# Altium PCB RS2-708_V010.PcbDoc (part 1 of 4) (continued)
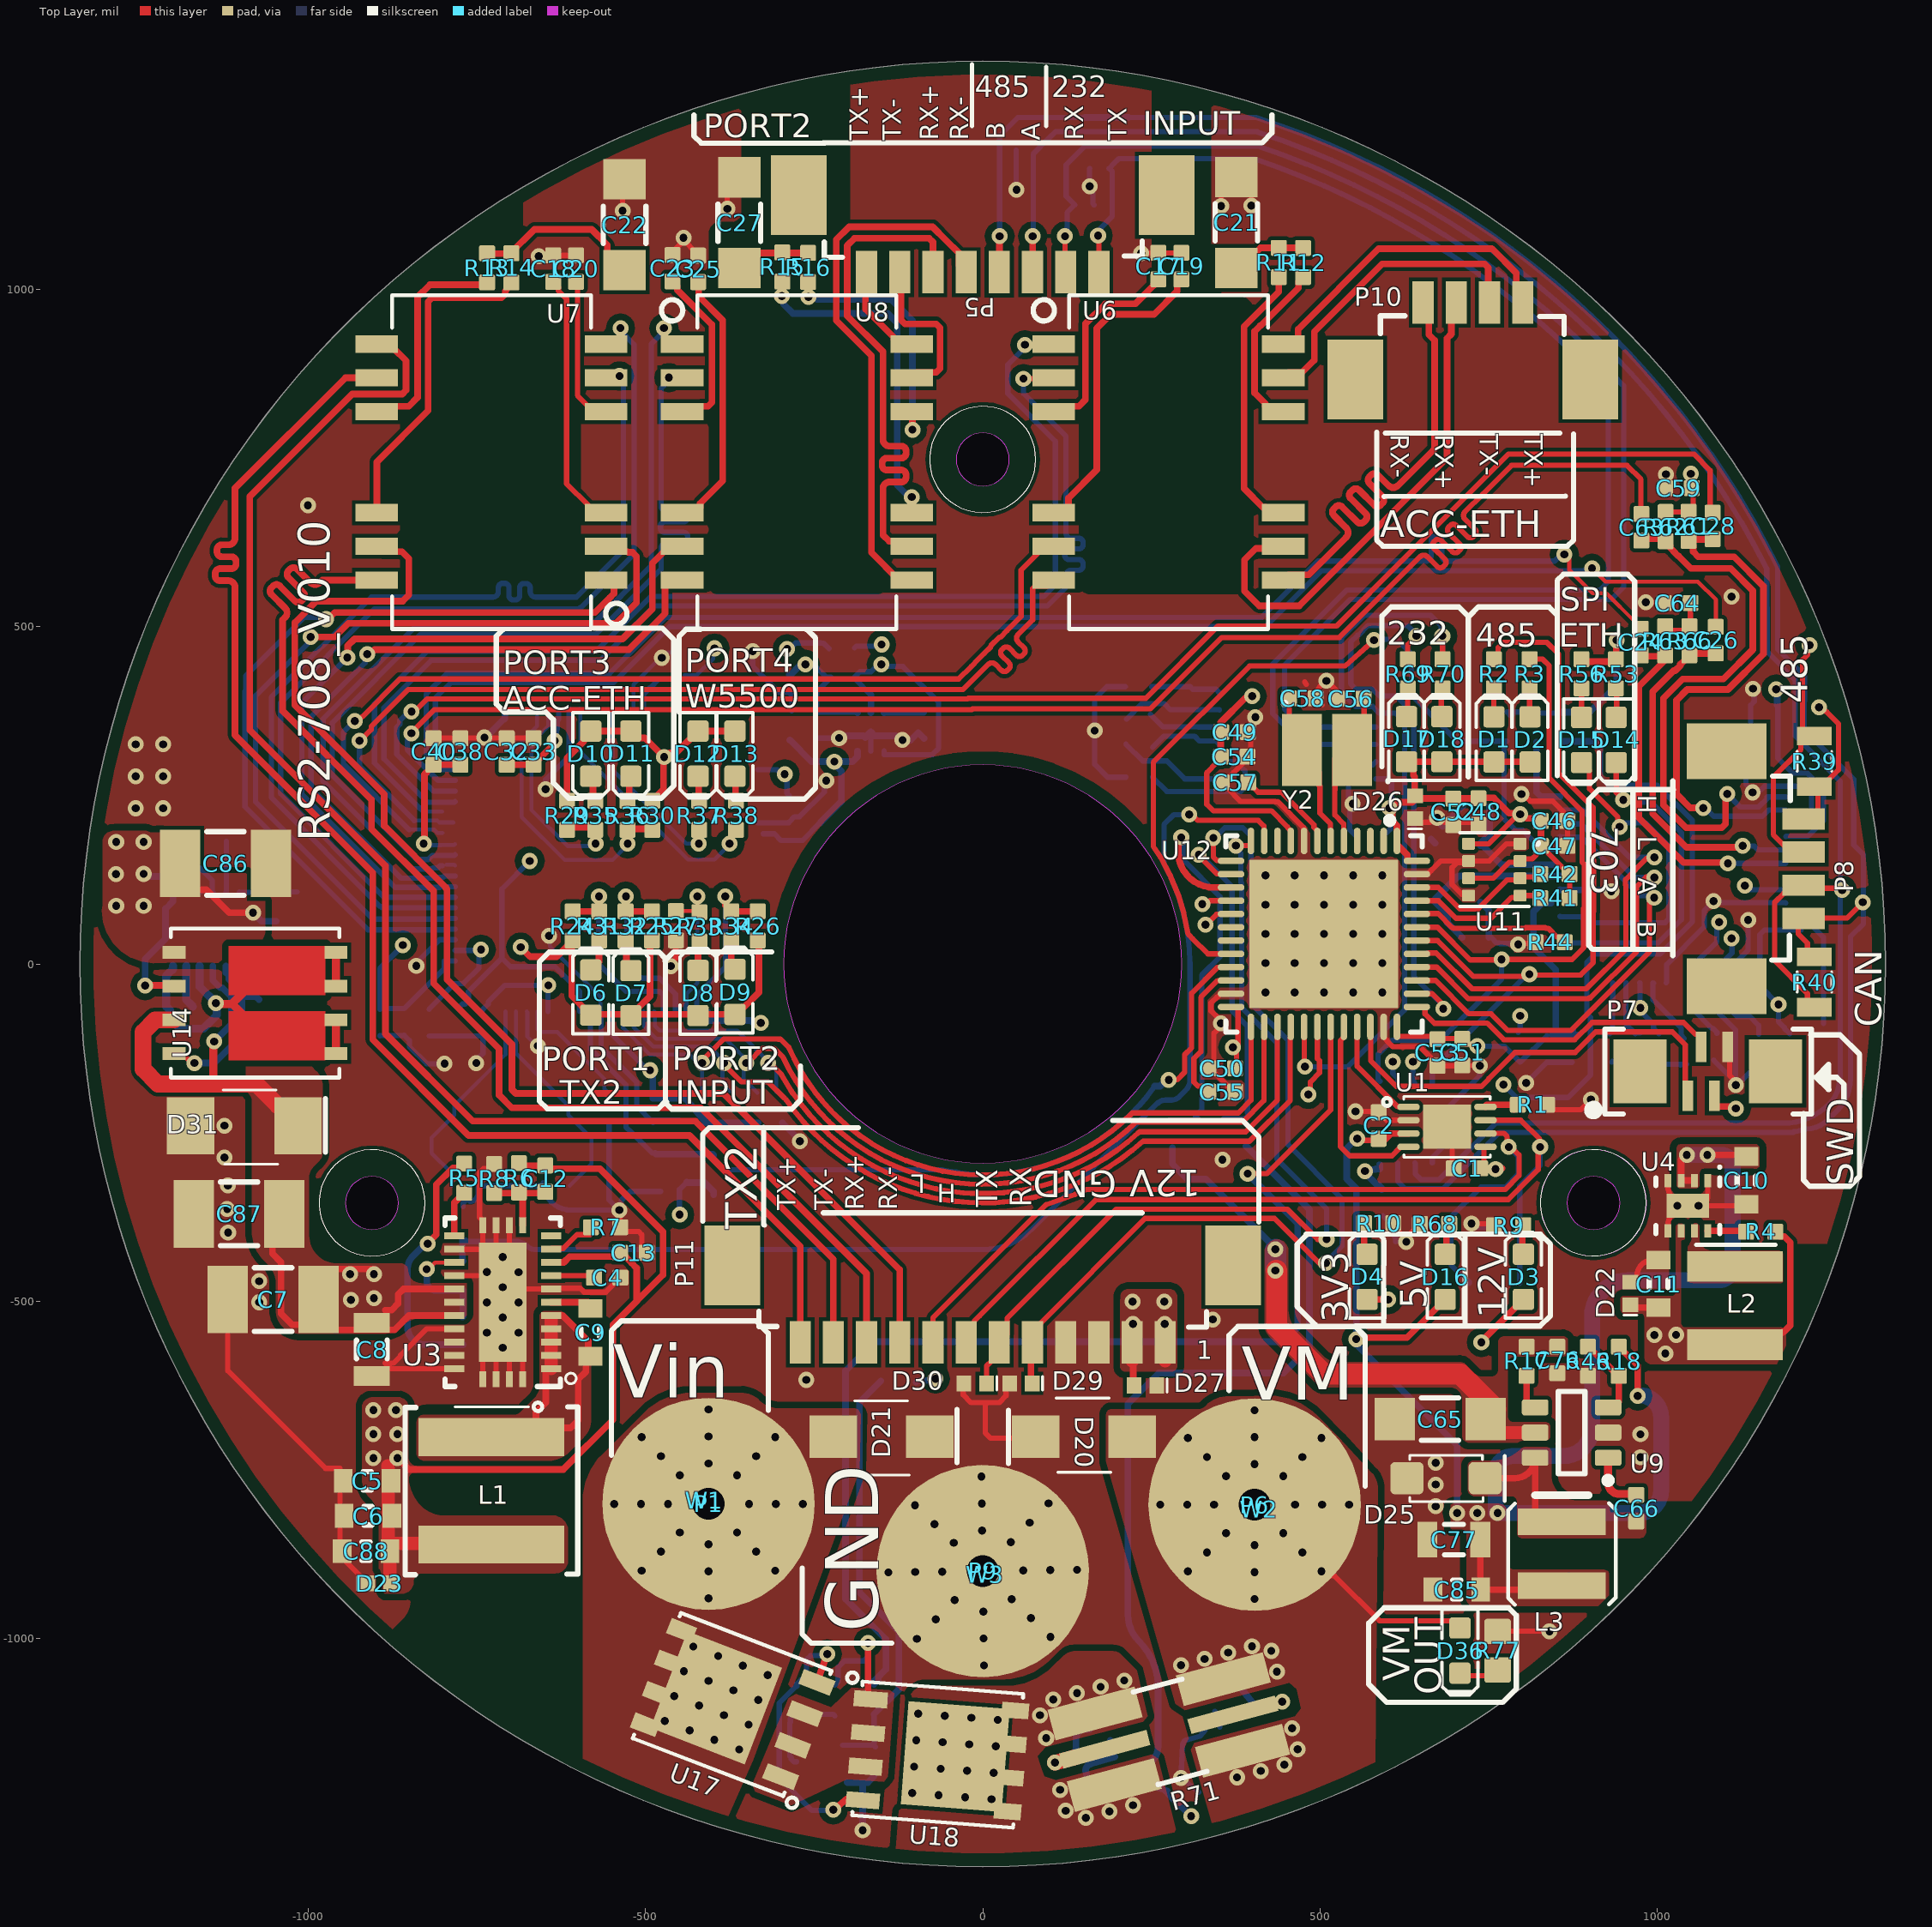
[diagram p0: Top Layer view]
## Components (designator, comment, footprint, x,y, rotation, side; value= is the part's Value field where it differs from the comment) (continued)
D17 "LED" LED-0603-YELLOW 628.46,333.23 r90 top
D18 "LED" LED-0603-GREEN 680.85,333.23 r90 top
D19 "Zener" SOD-323F -218.01,-1031.76 r180 bottom
D20 "TVS-Bidirectional" DO-214AB 78.74,-700.79 r0 top
D21 "TVS-Bidirectional" DO-214AB -78.74,-700.79 r180 top
D22 "TVS-Bidirectional" SLP1006P2T 960.46,-488.69 r90 top
D23 "TVS-Bidirectional" SLP1006P2T -894.79,-918.61 r0 top
D24 "TVS-Bidirectional" SLP1006P2T -283.15,414.75 r270 bottom
D25 "Diode" SOD-123F 687.06,-762.5 r180 top
D26 "TVS-Bidirectional" SLP1006P2T 641,232.29 r90 top
D27 "TVS-Bidirectional" SLP1006P2T 241.37,-625 r180 top
D29 "TVS-Bidirectional" SLP1006P2T 56.72,-621.87 r180 top
D30 "TVS-Bidirectional" SLP1006P2T -11.02,-621.87 r180 top
D31 "Schottky" DO-214AC -1094.96,-239.94 r180 top
D33 "TVS- 3-pin" SOT23-BAT54 758.95,-431.94 r90 bottom
D34 "TVS-Bidirectional" SLP1006P2T 152.29,1125.49 r180 bottom
D35 "TVS-Bidirectional" SLP1006P2T 171.46,1179.24 r0 bottom
D36 "LED" LED-0603-RED 707.69,-1018.11 r270 top
D37 "SM712-TP" SOT23-BAT54 49.65,1165.42 r90 bottom
FB1 "Ferrite Bead" RES0402 -228,446 r270 bottom
FB2 "Ferrite Bead" RES0402 -190,447 r270 bottom
FB3 "Ferrite Bead" RES0402 796.83,-123.94 r270 bottom
L1 "Inductor" "IND_ XAL6060-682MEB" -728.54,-701.73 r270 top
L2 "Inductor" IFSC-1515AH-ER2R2M01 1115.77,-506.47 r270 top
L3 "Inductor" IND_74404043---A 858.62,-874.62 r270 top
P1 "Wurth-7466113" 7466113_V2 -406.61,-800.61 r0 top locked
P5 "PICOBLADE-1.25mm" 532617008 0,1082.68 r0 top locked
P6 "Wurth-7466113" 7466113_V2 403.18,-801.74 r0 top locked
P7 "Verticcal  FFC" AFC11-S04ICC-00 1045.58,-195.66 r0 top
P8 "PICOBLADE-1.25mm" 532617004 1160.15,141.23 r90 top
P9 "Wurth-7466113" 7466113_V2 0,-900.23 r0.8 top locked
P10 "PICOBLADE-1.25mm" 532617004 726.87,923.81 r180 top
P11 "PICOBLADE-1.25mm" 532617012 0,-503.94 r0 top locked
R1 "Resistor" RES0402 815.16,-208.8 r180 top
R2 "Resistor" RES0402 757.99,430.25 r270 top
R3 "Resistor" RES0402 810.93,430.25 r270 top
R4 "Resistor" RES0402 1153.69,-397.18 r180 top
R5 "Resistor" RES0402 -768.74,-317.73 r90 top
R6 "Resistor" RES0402 -687.74,-317.2 r90 top
R7 "Resistor" RES0402 -559.24,-390.46 r180 top
R8 "Resistor" RES0402 -724.39,-318.16 r270 top
R9 "Resistor" RES0402 779.96,-387.57 r0 top
R10 "Resistor" RES0402 587.07,-384.35 r180 top
R11 "Res" RES0402 439,1040 r270 top
R12 "Res" RES0402 475,1040 r270 top
R13 "Res" RES0402 -735,1032 r270 top
R14 "Res" RES0402 -699,1032 r270 top
R15 "Res" RES0402 -297.15,1033.3 r270 top
R16 "Res" RES0402 -258.88,1032.69 r270 top
R17 "Resistor" RES0402 806.39,-589.22 r90 top
R18 "Resistor" RES0402 943.21,-589.22 r90 top
R19 "Resistor" RES0402 -333,-214 r270 bottom
R20 "Resistor" RES0402 -410,-214 r270 bottom
R21 "Resistor" RES0402 -371,-214 r270 bottom
R22 "Resistor" RES0402 -297,-214 r270 bottom
R23 "Resistor" RES0402 -554,-214 r90 bottom
R24 "Resistor" RES0402 -608.01,56.34 r270 top
R25 "Resistor" RES0402 -490.46,56.34 r270 top
R26 "Resistor" RES0402 -333.73,56.34 r270 top
R27 "Resistor" RES0402 -454.92,56.66 r270 top
R28 "Resistor" RES0402 -439,-302 r90 bottom
R29 "Resistor" RES0402 -616.34,220.42 r90 top
R30 "Resistor" RES0402 -490,220.42 r90 top
R31 "Resistor" RES0402 -568.83,56.34 r270 top
R32 "Resistor" RES0402 -529.64,56.34 r270 top
R33 "Resistor" RES0402 -420.16,55.05 r270 top
R34 "Resistor" RES0402 -372.91,56.34 r270 top
R35 "Resistor" RES0402 -574.64,220.42 r90 top
R36 "Resistor" RES0402 -526.8,220.42 r90 top
R37 "Resistor" RES0402 -420.4,220.42 r90 top
R38 "Resistor" RES0402 -365.89,220.42 r90 top
R39 "Res" RES0805 1233.25,300.47 r90 top value=120
R40 "Res" RES0805 1233.25,-26.7 r270 top value=120
R41 "Res" RES0402 848.6,97.6 r180 top value=4.7K
R42 "Res" RES0402 848.6,133.24 r180 top value=4.7K
R43 "Res" RES0402 281.23,-251.05 r270 bottom value=47K
R44 "Resistor" RES0402 841.41,32.09 r180 top
R45 "Res" RES0402 319.87,-251.76 r90 bottom value=3.3K
R46 "Resistor" RES0402 897.6,-589.22 r90 top
R47 "Resistor" RES0402 -1048,85 r270 bottom
R48 "Resistor" RES0402 -1017,85 r90 bottom
R49 "Resistor" RES0402 -1073,-74.65 r90 bottom
R50 "Resistor" RES0402 -1143,146 r180 bottom
R51 "Resistor" RES0402 -1143,182 r0 bottom
R52 "Resistor" RES0402 859.63,351.66 r90 bottom
R53 "Resistor" RES0402 938.88,430.25 r90 top
R54 "Resistor" RES0402 777.37,351.88 r90 bottom
R55 "Resistor" RES0402 823.63,351.66 r90 bottom
R56 "Resistor" RES0402 887.8,430.25 r90 top
R57 "Resistor" RES0402 1245.69,-121 r270 bottom
R58 "Resistor" RES0402 795.69,137.65 r90 bottom
R60 "Resistor" RES0402 929.69,-125 r90 bottom
R61 "Res" RES0402 1046.69,648.78 r270 top
R62 "Res" RES0402 1012.69,648.43 r90 top
R63 "Res" RES0402 1011.86,479.15 r270 top
R65 "Resistor" RES0402 -120.4,-620.17 r0 bottom
R66 "Res" RES0402 1047.86,479.15 r90 top
R67 "Resistor" RES0402 -770.58,-462.21 r90 bottom
R68 "Resistor" RES0402 670.04,-385.59 r0 top
R69 "Resistor" RES0402 630.22,430.25 r270 top
R70 "Resistor" RES0402 681.82,430.25 r270 top
R71 "Resistor_Kelvin" "RES2512 - KELVIN" 276,-1138.98 r15 top
R72 "Resistor" RES0402 -219.24,-1090.9 r270 bottom
R73 "Resistor" RES0402 -277.31,-1090.9 r270 bottom
R74 "Resistor" RES0402 -161.17,-1090.9 r270 bottom
R75 "Resistor" RES0402 -161.17,-1182.98 r270 bottom
R76 "Resistor" RES0402 390.4,-248.43 r270 bottom
R77 "Resistor" RES0603 763.47,-1018.35 r270 top
R78 "Resistor" RES0402 -770.58,-542.81 r270 bottom
R79 "Resistor" RES0402 -770.58,-381.6 r270 bottom
T1 "NPN" DFN2020D-3 -234.61,-1187.78 r180 bottom
U1 "MCP2558FDT-H/MNY" TDFN8_2x3_MN 688.49,-241.64 r0 top
U2 "RS485 Tranceiver" MAX22501EATA+ 628.2,-236.06 r0 bottom
U3 "LM76003RNPR" LM76003 -711.69,-501.65 r180 top
U4 "3-17v Switching Reg" TPS6216X 1045.6,-358.49 r270 top
U5 "MIC5309-xx" MIC5309 -166,344 r90 bottom
U6 "Ethernet Transformer" 749020100 275.59,744.09 r0 top locked
U7 "Ethernet Transformer" 749020100 -728.35,744.09 r180 top locked
U8 "Ethernet Transformer" 749020100 -275.59,744.09 r0 top locked
U9 "IC REG BUCK ADJ 600MA TSOT23-6" SOT23-6 873.25,-694.93 r180 top
U10 "KSZ8795CLX" KSZ8795CLX -558,154 r0 bottom locked
U11 "\" BME280 758.66,139.82 r0 top
U12 "STM32F413CHU6" STM-UFQFPN48_M 506,44.5 r270 top locked
U13 "W5500_LQFP48" "LQFP-48, 7x7mm, 0.5mm pitch" 1023.36,139.47 r180 bottom locked
U14 "IPG16N10S461AATMA1" PG-TDSON-8-4_INF -1079,-58 r0 top
U15 "LM74801QDRRRQ1" DRR0012E -1151.47,51.72 r270 bottom
U16 "2/2 RS232 Tranceiver" ST3232ECTR 467,364 r0 bottom locked
U17 "P-Fet" SO-8_PowerPAK#1 -373.16,-1096.66 r158.98 top
U18 "P-Fet" SO-8_PowerPAK#2 -64.65,-1173.54 r355.58 top
U19 "Current Sense" AD8418BRMZ 270.14,-1141.88 r195.46 bottom
W1 "Wiring Crimnp" Power_M3_Eyelet_Up -412.91,-795.46 r312 top
W2 "Wiring Crimnp" Power_M3_Eyelet_Up 409.68,-808.5 r0 top
W3 "Wiring Crimnp" Power_M3_Eyelet_Up 3.7,-905.16 r340.52 top
Y1 "Osc" "ABM7 Oscillator" -699,-224 r180 bottom locked
Y2 "Osc" "2-SMD-XTAL (3.2x2.5)" 510.58,317.3 r0 top value=8MHz
Y3 "Crystal_4Pin_ABM8G" CRYSTAL_ABM8G 708.19,135.5 r90 bottom

## Footprints (in the part's own frame and the unit in brackets; to place one, negate y for a bottom-side part, rotate by r counter-clockwise, add the part's x,y. Pads: shape width x height; smd on the part's side, far side on the other; paste and mask are expansions set on the pad)
"2-SMD-XTAL (3.2x2.5)" [mm] "DFN, 2-Leads, Body 2.50x3.20mm, Pitch 1.90mm, IPC Medium Density"
  rect 1.5x2.7 smd: 1(-0.95,0) 2(0.95,0)
  silkscreen extent -1.67,1.68 -1.53,1.82, body extent -1.65,-1.3 1.65,1.3, height 1
7466113_V2 [mm] "Wurth RedCube Power connector"
  round 8 smd: 1(0,0)
  body extent -3.53,-3.59 3.47,3.41, height 8.01
532617004 [mm] "4POS Picoblade 1.25mm"
  rect 0.8x1.6 smd: 1(1.875,-1.45) 2(0.625,-1.45) 3(-0.625,-1.45)
  rect 0.8x1.6 smd paste+0: 4(-1.875,-1.45)
  rect 2.1x3 smd: 5(-4.425,1.45) 6(4.425,1.45)
  silkscreen extent -3.44,-0.95 3.49,3.48, body extent -5.1,-1.76 5.05,3.44, height 3.41
532617008 [mm] "8POS Picoblade 1.25mm"
  rect 0.8x1.6 smd: 1(4.375,-1.45) 2(3.125,-1.45) 3(1.875,-1.45) 4(0.625,-1.45) 5(-0.625,-1.45) 6(-1.875,-1.45) 7(-3.125,-1.45)
  rect 0.8x1.6 smd paste+0: 8(-4.375,-1.45)
  rect 2.1x3 smd: 9(-6.925,1.45) 10(6.925,1.45)
  silkscreen extent -6,-0.88 6,3.43, body extent -7.58,-1.71 7.57,3.49, height 3.41
532617012 [mm] "12POS Picoblade 1.25mm"
  rect 0.8x1.6 smd: 1(6.875,-1.45) 2(5.625,-1.45) 3(4.375,-1.45) 4(3.125,-1.45) 5(1.875,-1.45) 6(0.625,-1.45) 7(-0.625,-1.45) 8(-1.875,-1.45) 9(-3.125,-1.45) 11(-5.625,-1.45) 12(-6.875,-1.45)
  rect 0.8x1.6 smd paste+0: 10(-4.375,-1.45)
  rect 2.1x3 smd: 13(9.425,1.45) 14(-9.425,1.45)
  silkscreen extent -8.43,-0.87 8.43,3.43, body extent -10.07,-1.72 10.08,3.48, height 3.41
749020100 [mm] "Wurth Ethernet Magnetic Transformer"
  rect 1.6x0.65 smd paste+0 mask+0: 1(-4.32,4.445) 2(-4.32,3.175) 3(-4.32,1.905) 6(-4.32,-1.905) 7(-4.32,-3.175) 8(-4.32,-4.445) 9(4.32,-4.445) 10(4.32,-3.175) 11(4.32,-1.905) 14(4.32,1.905) 15(4.32,3.175) 16(4.32,4.445)
  silkscreen extent -5.1,-6.29 3.75,6.29, body extent -4.75,-6.22 4.75,6.22, height 2.94
"ABM7 Oscillator" [mm] "CRYSTAL 25.0000MHZ 18PF SMD"
  rect 1.9x2.6 smd: 1(-2.15,0) 2(2.15,0)
  silkscreen extent -3.43,-1.78 2,1.76, body extent -3.13,-1.77 3.07,1.93, height 1.41
AD8418BRMZ [mil]
  rect 70x17 smd paste+0 mask+0: 1(-80.5,38.39) 2(-80.5,12.8) 3(-80.5,-12.8) 4(-80.5,-38.39) 5(80.5,-38.39) 6(80.5,-12.8) 7(80.5,12.8) 8(80.5,38.39)
  silkscreen extent -68,-68 68,68, body extent -101,-63 102,63, height 43
AFC11-S04ICC-00 [mm] "FFV 4-way  vertical"
  rect 0.4x1.15 smd: 1(0,0) 2(0.5,1.85) 3(1,0) 4(1.5,1.85)
  rect 2x2.4 smd: 5(-1.8,0.925) 6(3.3,0.925)
  silkscreen extent -3.71,-0.69 4.65,2.51, body extent -3.02,-0.58 4.58,2.42, height 4.8
BME280 [mm] "2.5x2.5mm Temperature, Absolute Pressure, Humidity sensor"
  rrect25% 0.49x0.45 smd mask+0.05: 1(0.97,0.975) 2(0.97,0.325) 3(0.97,-0.325) 4(0.97,-0.975) 5(-0.97,-0.975) 6(-0.97,-0.325) 7(-0.97,0.325) 8(-0.97,0.975)
  silkscreen extent -1.3,-1.39 1.65,1.39, body extent -1.27,-1.27 1.23,1.23, height 1.01
CAP0402 [mm] "Chip Capacitor, 2-Leads, Body 1.00x0.50mm, IPC Medium Density"
  rrect20% 0.6x0.6 smd: 1(-0.5,0) 2(0.5,0)
  body extent -0.53,-0.28 0.53,0.28, height 0.55
CAP0603 [mm] "Chip Capacitor, 2-Leads, Body 1.6x0.8mm, IPC Medium Density"
  rect 0.7x0.9 smd: 1(-0.9,0) 2(0.9,0)
  silkscreen extent -0.15,-0.35 0.15,0.35, body extent -0.8,-0.4 0.8,0.4, height 0.3
CAP0805 [mm] "Chip Capacitor, 2-Leads, Body 2.0x1.2mm, IPC Medium Density"
  rect 0.75x1.35 smd: 1(-1,0) 2(1,0)
  silkscreen extent -0.35,-0.58 0.35,0.58, body extent -1,-0.62 1,0.63, height 0.78
CAP1206 [mm] "Chip Capacitor, 2-Leads, Body 3.2x1.6mm, IPC Medium Density"
  rect 1.52x1.6 smd: 1(-1.71,0) 2(1.71,0)
  silkscreen extent -0.7,-0.8 0.7,0.8, body extent -1.6,-0.8 1.6,0.8, height 1
CAP1210 [mm] "Chip Capacitor, 2-Leads, Body 3.2x2.5mm, IPC Medium Density"
  rect 1.52x2.54 smd: 1(-1.71,0) 2(1.71,0)
  silkscreen extent -0.7,-1.2 0.7,1.2, body extent -1.6,-1.25 1.6,1.25, height 0.92
CRYSTAL_ABM8G [mil]
  rect 55x47 smd: 1(-43.5,-33.5) 2(43.5,-33.5) 3(43.5,33.5) 4(-43.5,33.5)
  silkscreen extent -81,-67 81,67, body extent -63,-49 63,49, height 40
DFN2020D-3 [mm]
  rect 0.6x0.4 smd: 1(-0.85,0.65) 2(-0.85,-0.65) 3(0.85,0)
  rect 1.1x1.6 smd: 3(0.25,0)
  silkscreen extent -1.59,-0.97 1.01,1.02, body extent -1,-0.97 1,1.03, height 0.66
DO-214AB [mil]
  rect 70.63x63.03 smd paste+0 mask+1.97: 1(0,0) 2(142.88,0)
  silkscreen extent -41,-53 111,57, body extent -33,-55 175,55, height 93
DO-214AC [mm]
  rect 1.78x2.16 smd paste+0 mask+0.05: 1(-2.025,0) 2(2.025,0)
  silkscreen extent -3.06,-1.35 0.81,1.45, body extent -2.59,-1.3 2.61,1.3, height 2.42
DRR0012E [mm]
  rect 0.62x0.25 smd paste+0 mask+0.051: 1(-1.39,1.25) 2(-1.39,0.75) 3(-1.39,0.25) 4(-1.39,-0.25) 5(-1.39,-0.75) 6(-1.39,-1.25) 7(1.39,-1.25) 8(1.39,-0.75) 9(1.39,-0.25) 10(1.39,0.25) 11(1.39,0.75) 12(1.39,1.25)
  rect 1.3x2.5 smd paste-1.237 mask+0.051: 13(0,0)
  silkscreen extent -2,-1.8 2,1.8, body extent -1.5,-1.5 1.5,1.5, height 0.8
IFSC-1515AH-ER2R2M01 [mm]
  rect 1.15x3.6 smd paste+0 mask+0: 1(-1.475,0) 2(1.475,0)
  silkscreen extent -2.29,-1.48 -2.29,1.52, body extent -2,-2.03 2,1.97, height 1.81
IND_74404043---A [mm] "'Inductor WURTH"
  rect 1x3.3 smd: 1(-1.2,0) 2(1.2,0)
  silkscreen extent -2.21,-2.02 1.92,2.03, body extent -2,-2 2,2, height 2.16
"IND_ XAL6060-682MEB" [mm] "Fixed Inductors 6.8uH 20% 9A 20.8mOhms AEC-Q200"
  rect 1.43x5.5 smd: 1(0,0) 2(4.04,0)
  silkscreen extent -1.3,-3.25 5.18,3.25, body extent -1.14,-3.25 5.13,3.25, height 6.1
KSZ8795CLX [mm]
  rect 1x0.2 smd mask+0.05: 1(-5.7,3.8) 2(-5.7,3.4) 3(-5.7,3) 4(-5.7,2.6) 5(-5.7,2.2) 6(-5.7,1.8) 7(-5.7,1.4) 8(-5.7,1) 9(-5.7,0.6) 10(-5.7,0.2) 11(-5.7,-0.2) 12(-5.7,-0.6) 13(-5.7,-1) 14(-5.7,-1.4) 15(-5.7,-1.8) 16(-5.7,-2.2) 17(-5.7,-2.6) 18(-5.7,-3) 19(-5.7,-3.4) 20(-5.7,-3.8) 41(5.7,-3.8) 42(5.7,-3.4) 43(5.7,-3) 44(5.7,-2.6) 45(5.7,-2.2) 46(5.7,-1.8) 47(5.7,-1.4) 48(5.7,-1) 49(5.7,-0.6) 50(5.7,-0.2) 51(5.7,0.2) 52(5.7,0.6) 53(5.7,1) 54(5.7,1.4) 55(5.7,1.8) 56(5.7,2.2) 57(5.7,2.6) 58(5.7,3) 59(5.7,3.4) 60(5.7,3.8)
  rect 0.2x1 smd mask+0.05: 21(-3.8,-5.7) 22(-3.4,-5.7) 23(-3,-5.7) 24(-2.6,-5.7) 25(-2.2,-5.7) 26(-1.8,-5.7) 27(-1.4,-5.7) 28(-1,-5.7) 29(-0.6,-5.7) 30(-0.2,-5.7) 31(0.2,-5.7) 32(0.6,-5.7) 33(1,-5.7) 34(1.4,-5.7) 35(1.8,-5.7) 36(2.2,-5.7) 37(2.6,-5.7) 38(3,-5.7) 39(3.4,-5.7) 40(3.8,-5.7) 61(3.8,5.7) 62(3.4,5.7) 63(3,5.7) 64(2.6,5.7) 65(2.2,5.7) 66(1.8,5.7) 67(1.4,5.7) 68(1,5.7) 69(0.6,5.7) 70(0.2,5.7) 71(-0.2,5.7) 72(-0.6,5.7) 73(-1,5.7) 74(-1.4,5.7) 75(-1.8,5.7) 76(-2.2,5.7) 77(-2.6,5.7) 78(-3,5.7) 79(-3.4,5.7) 80(-3.8,5.7)
  silkscreen extent -6.01,-5.05 5.05,5.05, body extent -6.02,-6.05 6,5.97, height 1.62
LED-0603-GREEN [mm]
  round 0.254 on Mech15: 0(0,0)
  rrect25% 0.8x0.8 smd: 1(0.85,0) 2(-0.85,0)
  Top Layer pour cut-out: -0.5,0.5 0.5,0.5 0.5,-0.5 -0.5,-0.5
  silkscreen extent -1.55,-0.67 1.68,0.67, body extent -0.8,-0.4 0.8,0.4, height 0.75
LED-0603-RED [mm]
  round 0.254 on Mech15: 0(0,0)
  rrect25% 0.8x0.8 smd: 1(0.85,0) 2(-0.85,0)
  Top Layer pour cut-out: -0.5,0.5 0.5,0.5 0.5,-0.5 -0.5,-0.5
  silkscreen extent -1.55,-0.67 1.68,0.67, body extent -0.8,-0.4 0.8,0.4, height 0.75
LED-0603-YELLOW [mm]
  round 0.254 on Mech15: 0(0,0)
  rrect25% 0.8x0.8 smd: 1(0.85,0) 2(-0.85,0)
  Top Layer pour cut-out: -0.5,0.5 0.5,0.5 0.5,-0.5 -0.5,-0.5
  silkscreen extent -1.55,-0.67 1.68,0.67, body extent -0.8,-0.4 0.8,0.4, height 0.75
LM76003 [mm] "Buck Switching Regulator IC Positive Adjustable 1V 1 Output 3.5A 30-WFQFN Exposed Pad"
  rect 0.75x0.25 smd paste+0 mask+0.051: 1(-1.825,2.5) 2(-1.825,2) 3(-1.825,1.5) 4(-1.825,1) 5(-1.825,0.5) 6(-1.825,0) 7(-1.825,-0.5) 8(-1.825,-1) 9(-1.825,-1.5) 10(-1.825,-2) 11(-1.825,-2.5) 16(1.825,-2.5) 17(1.825,-2) 18(1.825,-1.5) 19(1.825,-1) 20(1.825,-0.5) 21(1.825,0) 22(1.825,0.5) 23(1.825,1) 24(1.825,1.5) 25(1.825,2) 26(1.825,2.5)
  rect 0.25x0.6 smd paste+0 mask+0.051: 12(-0.75,-2.9) 13(-0.25,-2.9) 14(0.25,-2.9) 15(0.75,-2.9) 27(0.75,2.9) 28(0.25,2.9) 29(-0.25,2.9) 30(-0.75,2.9)
  rect 1.8x4.5 smd paste-2.237 mask+0.051: 31(0,0)
  silkscreen extent -2.77,-3.18 2.17,3.18, body extent -2,-3 2,3, height 0.8
"LQFP-48, 7x7mm, 0.5mm pitch" [mm] "TSQFP, 48-Leads, Body 7,00x7,00mm, Pitch 0,50mm, IPC Medium Density"
  oval 1.45x0.3 smd mask+0.05: 1(-4.25,2.75) 2(-4.25,2.25) 3(-4.25,1.75) 4(-4.25,1.25) 5(-4.25,0.75) 6(-4.25,0.25) 7(-4.25,-0.25) 8(-4.25,-0.75) 9(-4.25,-1.25) 10(-4.25,-1.75) 11(-4.25,-2.25) 12(-4.25,-2.75) 25(4.25,-2.75) 26(4.25,-2.25) 27(4.25,-1.75) 28(4.25,-1.25) 29(4.25,-0.75) 30(4.25,-0.25) 31(4.25,0.25) 32(4.25,0.75) 33(4.25,1.25) 34(4.25,1.75) 35(4.25,2.25) 36(4.25,2.75)
  oval 0.3x1.45 smd mask+0.05: 13(-2.75,-4.25) 14(-2.25,-4.25) 15(-1.75,-4.25) 16(-1.25,-4.25) 17(-0.75,-4.25) 18(-0.25,-4.25) 19(0.25,-4.25) 20(0.75,-4.25) 21(1.25,-4.25) 22(1.75,-4.25) 23(2.25,-4.25) 24(2.75,-4.25) 37(2.75,4.25) 38(2.25,4.25) 39(1.75,4.25) 40(1.25,4.25) 41(0.75,4.25) 42(0.25,4.25) 43(-0.25,4.25) 44(-0.75,4.25) 45(-1.25,4.25) 46(-1.75,4.25) 47(-2.25,4.25) 48(-2.75,4.25)
  silkscreen extent -4.38,-3.13 3.13,3.57, body extent -4.5,-4.5 4.5,4.5, height 1.6
MAX22501EATA+ [mm] "QFN, 8-Leads, Body 3.00x3.00mm, Pitch 0.65mm/0.50mm, Thermal Pad 2.30x1.50mm, IPC Medium Density"
  rect 0.3x0.7 smd mask+0.05: 1(-0.975,-1.5) 2(-0.325,-1.5) 3(0.325,-1.5) 4(0.975,-1.5) 5(0.975,1.5) 6(0.325,1.5) 7(-0.325,1.5) 8(-0.975,1.5)
  rect 2.3x1.5 smd mask+0.05: 9(0,0)
  silkscreen extent -1.57,-2.26 1.57,1.58, body extent -1.55,-1.55 1.55,1.55, height 0.8
MIC5309 [mm]
  rect 0.606x0.225 smd paste+0 mask+0: 1(-0.722,0.5) 2(-0.722,0) 3(-0.722,-0.5) 4(0.722,-0.5) 5(0.722,0) 6(0.722,0.5)
  rect 0.559x1.321 smd paste-0.648 mask+0: 7(0,0)
  silkscreen extent -1.47,-0.95 0.95,0.96, body extent -0.83,-0.83 0.83,0.83, height 0.62
PG-TDSON-8-4_INF [mil]
  rect 34x19 smd paste+0 mask+0: 1(-120,75) 2(-120,25) 3(-120,-25) 4(-120,-75) 5(120,-75) 6(120,-25) 7(120,25) 8(120,75)
  Top Layer region: 104,12 104,84.5 -39,84.5 -39,12
  Top Layer region: 104,-12 104,-84.5 -39,-84.5 -39,-12
  silkscreen extent -125,-110 125,110, body extent -125,-106 125,106, height 39
Power_M3_Eyelet_Up [mil]
  body extent -110,-108 353,108, height 249
RES0402 [mm]
  rrect20% 0.6x0.6 smd: 1(-0.55,0) 2(0.55,0)
  body extent -0.5,-0.25 0.5,0.25, height 0.3
RES0603 [mm] "Chip Resistor, 2-Leads, Body 1.6x0.8mm, IPC Medium Density"
  rrect20% 0.95x1 smd: 1(-0.725,0) 2(0.725,0)
  body extent -0.8,-0.4 0.8,0.4, height 0.45
RES0805 [mm]
  rect 0.7x1.3 smd: 1(-0.95,0) 2(0.95,0)
  silkscreen extent -0.38,-0.65 0.38,0.65, body extent -1,-0.63 1,0.62, height 0.5
"RES2512 - KELVIN" [mm] "Chip Resistor, 2-Leads, Body 6.30x3.20mm, IPC Medium Density"
  rect 3.4x1.2 smd: 1(-2.5,1.4) 1(-2.5,-1.4) 2(2.5,1.4) 2(2.5,-1.4)
  rect 3.4x0.6 smd: 3(-2.5,0) 4(2.5,0)
  silkscreen extent -0.9,-1.8 1,1.8, body extent -3.23,-1.73 3.23,1.73, height 0.5
SLP1006P2T [mm]
  rect 0.55x0.6 smd mask+0.05: 1(-0.425,0) 2(0.425,0)
  silkscreen extent -0.81,-0.25 -0.81,0.25, body extent -0.51,-0.32 0.51,0.32, height 0.4
SO-8_PowerPAK#1 [mm] "Power Mosfet"
  rect 1.27x0.61 smd: 1(-2.733,1.905) 2(-2.733,0.635) 3(-2.732,-0.635) 4(-2.732,-1.905)
  rect 3.81x3.91 smd: 5(0.604,0)
  rect 1.02x0.61 smd: 5(2.733,-1.905) 6(2.733,-0.635) 7(2.732,0.635) 8(2.732,1.905)
  silkscreen extent -3.68,-2.5 2.99,2.87, body extent -3.17,-2.61 3.07,2.64, height 1.13
SO-8_PowerPAK#2 [mm] "Power Mosfet"
  rect 1.27x0.61 smd: 1(-2.732,1.905) 2(-2.732,0.635) 3(-2.732,-0.635) 4(-2.732,-1.905)
  rect 1.02x0.61 smd: 5(2.733,-1.905) 6(2.733,-0.635) 7(2.733,0.635) 8(2.732,1.905)
  rect 3.81x3.91 smd: ""(0.604,0)
  silkscreen extent -3.68,-2.5 2.99,2.87, body extent -3.17,-2.61 3.07,2.64, height 1.13
SOD523 [mm] "SODFL, 2-Leads, Body 0,80x1,60mm, IPC Medium Density"
  rect 0.65x0.4 smd: 1(-0.75,0) 2(0.75,0)
  silkscreen extent -1.3,-0.39 -1.3,0.41, body extent -0.8,-0.45 0.8,0.45, height 0.7
SOD-123F [mm]
  rrect30% 1.25x1.22 smd paste+0 mask+0: 1(-1.475,0) 2(1.475,0)
  silkscreen extent -2.21,-0.86 1.37,0.89, body extent -1.9,-0.9 1.9,0.9, height 1.02
SOD-323F [mm]
  rect 0.6x0.45 smd: 1(-1.1,0) 2(1.1,0)
  silkscreen extent -1.49,-0.7 0.5,0.7, body extent -1.28,-0.64 1.22,0.61, height 1
SOT23-6 [mm]
  rrect30% 1x0.6 smd: 1(-1.375,0.95) 2(-1.375,0) 3(-1.375,-0.95) 4(1.375,-0.95) 5(1.375,0) 6(1.375,0.95)
  silkscreen extent -1.5,-1.55 0.5,1.92, body extent -1.52,-1.52 1.53,1.53, height 1.1
SOT23-BAT54 [mm] "SOT23, 3-Leads, Body 2.90x2.27mm, Pitch 0.95mm, IPC Medium Density"
  rect 0.8x0.7 smd: 1(-1.05,0.95) 2(-1.05,-0.95)
  rect 0.9x0.7 smd: 3(1.05,0)
  silkscreen extent -1.92,-1.5 0.7,1.5, body extent -1.33,-1.5 1.33,1.5, height 1.1
ST3232ECTR [mm] "TSOP, 16-Leads, Body 5.00x4.39mm, Pitch 0.65mm, IPC Medium Density"
  rect 1.4x0.45 smd mask+0.05: 1(-2.95,2.275) 2(-2.95,1.625) 3(-2.95,0.975) 4(-2.95,0.325) 5(-2.95,-0.325) 6(-2.95,-0.975) 7(-2.95,-1.625) 8(-2.95,-2.275) 9(2.95,-2.275) 10(2.95,-1.625) 11(2.95,-0.975) 12(2.95,-0.325) 13(2.95,0.325) 14(2.95,0.975) 15(2.95,1.625) 16(2.95,2.275)
  silkscreen extent -3.07,-2.55 1.85,3.17, body extent -2.25,-2.55 2.25,2.55, height 1.2
STM-UFQFPN48_M [mm] "QFN, 48-Leads, Body 7.1x7.1mm, Pitch 0.5mm, Thermal Pad 5.6x5.6mm, IPC Low Density"
  oval 1x0.25 smd mask+0.05: 1(-3.5,2.75) 2(-3.5,2.25) 3(-3.5,1.75) 4(-3.5,1.25) 5(-3.5,0.75) 6(-3.5,0.25) 7(-3.5,-0.25) 8(-3.5,-0.75) 9(-3.5,-1.25) 10(-3.5,-1.75) 11(-3.5,-2.25) 12(-3.5,-2.75) 25(3.5,-2.75) 26(3.5,-2.25) 27(3.5,-1.75) 28(3.5,-1.25) 29(3.5,-0.75) 30(3.5,-0.25) 31(3.5,0.25) 32(3.5,0.75) 33(3.5,1.25) 34(3.5,1.75) 35(3.5,2.25) 36(3.5,2.75)
  oval 0.25x1 smd mask+0.05: 13(-2.75,-3.5) 14(-2.25,-3.5) 15(-1.75,-3.5) 16(-1.25,-3.5) 17(-0.75,-3.5) 18(-0.25,-3.5) 19(0.25,-3.5) 20(0.75,-3.5) 21(1.25,-3.5) 22(1.75,-3.5) 23(2.25,-3.5) 24(2.75,-3.5) 37(2.75,3.5) 38(2.25,3.5) 39(1.75,3.5) 40(1.25,3.5) 41(0.75,3.5) 42(0.25,3.5) 43(-0.25,3.5) 44(-0.75,3.5) 45(-1.25,3.5) 46(-1.75,3.5) 47(-2.25,3.5) 48(-2.75,3.5)
  rect 5.6x5.6 smd mask+0.05: 49(0,0)
  silkscreen extent -4.4,-3.7 3.7,3.7, body extent -3.55,-3.55 3.55,3.55, height 0.6
TDFN8_2x3_MN [mm]
  oval 0.85x0.25 smd mask+0.05: 1(-1.45,0.75) 2(-1.45,0.25) 3(-1.45,-0.25) 4(-1.45,-0.75) 5(1.45,-0.75) 6(1.45,-0.25) 7(1.45,0.25) 8(1.45,0.75)
  rect 1.8x1.65 smd mask+0.05: 9(-0.001,0.01)
  silkscreen extent -2.41,-1.15 1.63,1.14, body extent -1.53,-1.01 1.51,0.99, height 0.91
TPS6216X [mm] "SON, 8-Leads, Body 2x2mm, Pitch 0.5mm, Thermal Pad 1.6x0.9mm, TI Recommended"
  rect 0.5x0.25 smd paste-0.14 mask+0.07: 1(-0.95,0.75) 2(-0.95,0.25) 3(-0.95,-0.25) 4(-0.95,-0.75) 5(0.95,-0.75) 6(0.95,-0.25) 7(0.95,0.25) 8(0.95,0.75)
  rect 0.9x1.6 smd paste-0.45 mask+0.07: 9(0,0)
  silkscreen extent -1.5,-1.2 1.05,1.25, body extent -1.05,-1.05 1.05,1.05, height 0.8

## Part data
C1 C2 C3 C17 C18 C19 C20 C23 C24 C25 C26 C33 C34 C35 C37 C39 C40 C41 C43 C44 C45 C46 C47 C48 C49 C50 C51 C52 C57 C67 C68 C69 C70 C71 C72 C74 C78 C79 C80 C81 C82: Capacitance=100nF, Case/Package=0402, Case Code (Metric)=1005, Dielectric=X7R, Manufacturer=TDK, Manufacturer Part Number=CGA2B3X7R1H104K050BB, Max Operating Temperature=125°C, Min Operating Temperature=-55°C, Package Quantity=1, Ratings=AEC-Q200, Supplier Part Number 1=445-6899-1-ND, Tolerance=10%, Voltage=50V, Case Code (Imperial)=0402, ComponentLink1Description=http://product.tdk.com/capacitor/mlcc/en/documents/mlccspec_automotive_general_midvoltage_en.pdf?src-supplier=Future+Electronics, ComponentLink1URL=http://product.tdk.com/capacitor/mlcc/en/documents/mlccspec_automotive_general_midvoltage_en.pdf?src-supplier=Future+Electronics, ComponentLink2Description=http://www.farnell.com/datasheets/1807242.pdf?src-supplier=Element14, ComponentLink2URL=http://www.farnell.com/datasheets/1807242.pdf?src-supplier=Element14, ComponentLink3Description=http://www.mouser.com/ds/2/400/lcc_automotive_general_en-843974.pdf?src-supplier=Mouser, ComponentLink3URL=http://www.mouser.com/ds/2/400/lcc_automotive_general_en-843974.pdf?src-supplier=Mouser, ComponentLink4Description=http://www.farnell.com/datasheets/1936565.pdf?src-supplier=Element14, ComponentLink4URL=http://www.farnell.com/datasheets/1936565.pdf?src-supplier=Element14, ComponentLink5Description=http://www.farnell.com/datasheets/1735392.pdf?src-supplier=Element14, ComponentLink5URL=http://www.farnell.com/datasheets/1735392.pdf?src-supplier=Element14, Composition=Ceramic, Depth=0.5mm, Height=0.5mm, Lead Free="Lead Free", Length=1mm, Mount="Surface Mount", Packaging="Tape and Reel", REACH SVHC="No SVHC", Stock 1=14098587, Supplier 1=Digi-Key, Termination=SMD/SMT, Thickness=0.022inch, Voltage Rating=50V, Voltage Rating (DC)=50V, Weight=2.3E-05oz, Width=0.02inch
C4 C14 C15 C55: Capacitance=2.2uF, Case/Package=0402, Case Code (Metric)=1005, Dielectric=X5R, Manufacturer 1=Murata, Manufacturer Part Number 1=GRM155R61A225KE95D, Max Operating Temperature=85°C, Min Operating Temperature=-55°C, Package Quantity=10000, Supplier Part Number 1=490-10451-1-ND, Voltage Rating=10V, Case Code (Imperial)=0402, ComponentLink1Description=http://www.mouser.com/ds/2/281/c02e-2905.pdf?src-supplier=Mouser, ComponentLink1URL=http://www.mouser.com/ds/2/281/c02e-2905.pdf?src-supplier=Mouser, ComponentLink2Description=http://components.arrow.com/part/dataview/0323_04264073?src-supplier=Arrow+Europe, ComponentLink2URL=http://components.arrow.com/part/dataview/0323_04264073?src-supplier=Arrow+Europe, ComponentLink3Description=http://www.farnell.com/datasheets/1872202.pdf?src-supplier=Farnell, ComponentLink3URL=http://www.farnell.com/datasheets/1872202.pdf?src-supplier=Farnell, ComponentLink4Description=http://www.farnell.com/datasheets/2047915.pdf?src-supplier=Farnell, ComponentLink4URL=http://www.farnell.com/datasheets/2047915.pdf?src-supplier=Farnell, ComponentLink5Description=http://www.farnell.com/datasheets/1872202.pdf?src-supplier=Element14, ComponentLink5URL=http://www.farnell.com/datasheets/1872202.pdf?src-supplier=Element14, ComponentLink6Description=https://search.murata.co.jp/Ceramy/image/img/A01X/G101/ENG/GRM155R61A225KE95-01.pdf?src-supplier=Digi-Key, ComponentLink6URL=https://search.murata.co.jp/Ceramy/image/img/A01X/G101/ENG/GRM155R61A225KE95-01.pdf?src-supplier=Digi-Key, ComponentLink7Description=http://www.farnell.com/datasheets/1872202.pdf?src-supplier=Newark, ComponentLink7URL=http://www.farnell.com/datasheets/1872202.pdf?src-supplier=Newark, ComponentLink8Description=http://psearch.en.murata.com/capacitor/product/GRM155R61A225KE95%23.pdf?src-supplier=Avnet, ComponentLink8URL=http://psearch.en.murata.com/capacitor/product/GRM155R61A225KE95%23.pdf?src-supplier=Avnet, ComponentLink9Description=http://www.farnell.com/datasheets/2047915.pdf?src-supplier=Element14, ComponentLink9URL=http://www.farnell.com/datasheets/2047915.pdf?src-supplier=Element14, ComponentLink10Description=http://www.farnell.com/datasheets/2047915.pdf?src-supplier=Newark, ComponentLink10URL=http://www.farnell.com/datasheets/2047915.pdf?src-supplier=Newark, Depth=0.5mm, Height=0.5mm, Lead Free="Lead Free", Length=1mm, Material=Ceramic, Mount="Surface Mount", Packaging="Tape and Reel", Pricing 1="1=0,11000, 10=0,08100, 100=0,03800, 500=0,02664, 1000=0,02205, 2500=0,02052, 5000=0,01878 (USD)", REACH SVHC="No SVHC", RoHS=Yes, Stock 1=815357, Supplier 1=Digi-Key, Termination=SMD/SMT, Thickness=0.022inch, Voltage Rating (DC)=10V, Weight=0.000212oz, Width=0.5mm
C5 C9: Capacitance=470nF, Case/Package=0603, Case Code (Metric)=1608, Dielectric=X7R, Dielectric Material=Ceramic, Manufacturer 1=TDK, Manufacturer Part Number 1=C1608X7R1H474K080AC, Max Operating Temperature=125°C, Min Operating Temperature=-55°C, Package Quantity=4000, Supplier Part Number 1=445-5952-1-ND, Voltage Rating=50V, Case Code (Imperial)=0603, ComponentLink1Description=https://datasheet.ciiva.com/28693/1735394-28693461.pdf?src-supplier=Element14, ComponentLink1URL=https://datasheet.ciiva.com/28693/1735394-28693461.pdf?src-supplier=Element14, ComponentLink2Description=https://datasheet.ciiva.com/6290/tdkmlcccaprange-6290870.pdf?src-supplier=Digi-Key, ComponentLink2URL=https://datasheet.ciiva.com/6290/tdkmlcccaprange-6290870.pdf?src-supplier=Digi-Key, ComponentLink3Description=https://datasheet.ciiva.com/22718/1904212-22718022.pdf?src-supplier=Element14, ComponentLink3URL=https://datasheet.ciiva.com/22718/1904212-22718022.pdf?src-supplier=Element14, ComponentLink4Description=https://datasheet.ciiva.com/28451/1904212-28451367.pdf?src-supplier=Element14, ComponentLink4URL=https://datasheet.ciiva.com/28451/1904212-28451367.pdf?src-supplier=Element14, ComponentLink5Description=https://datasheet.ciiva.com/6290/tdkmlcccaprange-6290878.pdf?src-supplier=Digi-Key, ComponentLink5URL=https://datasheet.ciiva.com/6290/tdkmlcccaprange-6290878.pdf?src-supplier=Digi-Key, ComponentLink6Description=https://datasheet.ciiva.com/6290/tdkmlcccaprange-6290874.pdf?src-supplier=Digi-Key, ComponentLink6URL=https://datasheet.ciiva.com/6290/tdkmlcccaprange-6290874.pdf?src-supplier=Digi-Key, ComponentLink7Description=https://datasheet.ciiva.com/17487/e412-c-17487386.pdf?src-supplier=Avnet+Europe, ComponentLink7URL=https://datasheet.ciiva.com/17487/e412-c-17487386.pdf?src-supplier=Avnet+Europe, ComponentLink8Description=https://datasheet.ciiva.com/16427/e412-c-16427759.pdf?src-supplier=Future+Electronics, ComponentLink8URL=https://datasheet.ciiva.com/16427/e412-c-16427759.pdf?src-supplier=Future+Electronics, Composition=Ceramic, Depth=0.8mm, Height=0.8mm, Lead Free="Lead Free", Length=1.6mm, Mount="Surface Mount", Packaging="Tape and Reel", Pricing 1="1=0,28000, 10=0,19000, 100=0,10750, 500=0,07590, 1000=0,06641 (USD)", Radiation Hardening=No, REACH SVHC="No SVHC", RoHS=Yes, Stock 1=221204, Supplier 1=Digi-Key, Termination=SMD/SMT, Thickness=0.037inch, Voltage Rating (DC)=50V, Weight=7.1E-05oz, Width=0.031inch
C6 C10 C31: Capacitance=10uF, Case/Package=0603, Case Code (Metric)=1608, Dielectric=X5R, Manufacturer=Murata, Manufacturer Part Number=GRM188R61E106MA73J, Max Operating Temperature=85°C, Min Operating Temperature=-55°C, Package Quantity=10000, Supplier Part Number 1=490-12737-1-ND, Tolerance=20%, Voltage Rating=25V, Case Code (Imperial)=0603, Component Type="Capacitor Ceramic", Composition=Ceramic, Height=0.8mm, Length=0.063inch, Mount="Surface Mount", Packaging="Tape and Reel", Stock 1=57764, Supplier 1=Digi-Key, Termination=SMD/SMT, Thickness=0.039inch, Voltage Rating (DC)=25V, Weight=0.000222oz, Width=0.031inch
C7: Capacitance=4.7uF, Case/Package=1210, Case Code (Metric)=3225, Dielectric=X7S, Manufacturer 1=TDK, Manufacturer Part Number 1=CGA6M3X7S2A475K200AB, Max Operating Temperature=125°C, Min Operating Temperature=-55°C, Package Quantity=1, Ratings=AEC-Q200, Supplier Part Number 1=445-7005-1-ND, Tolerance=10%, Voltage Rating=100V, Case Code (Imperial)=1210, ComponentLink1Description=https://datasheet.ciiva.com/24216/cga6m3x7s2a475k200ab-266278-24216372.pdf?src-supplier=Mouser, ComponentLink1URL=https://datasheet.ciiva.com/24216/cga6m3x7s2a475k200ab-266278-24216372.pdf?src-supplier=Mouser, ComponentLink2Description=https://datasheet.ciiva.com/26834/getdatasheetpartid-745136-26834554.pdf?src-supplier=Verical, ComponentLink2URL=https://datasheet.ciiva.com/26834/getdatasheetpartid-745136-26834554.pdf?src-supplier=Verical, ComponentLink3Description=https://datasheet.ciiva.com/8079/1807242-8079367.pdf?src-supplier=Element14, ComponentLink3URL=https://datasheet.ciiva.com/8079/1807242-8079367.pdf?src-supplier=Element14, ComponentLink4Description=https://datasheet.ciiva.com/28620/1735406-28620711.pdf?src-supplier=Element14, ComponentLink4URL=https://datasheet.ciiva.com/28620/1735406-28620711.pdf?src-supplier=Element14, ComponentLink5Description=https://datasheet.ciiva.com/22725/1735406-22725662.pdf?src-supplier=Element14, ComponentLink5URL=https://datasheet.ciiva.com/22725/1735406-22725662.pdf?src-supplier=Element14, Composition=Ceramic, Depth=2.5mm, Height=2mm, Lead Free="Lead Free", Length=3.2mm, Mount="Surface Mount", Packaging="Tape and Reel", Pricing 1="1=1,38000, 10=1,08700, 100=0,81510, 500=0,61582 (USD)", Radiation Hardening=No, REACH SVHC="No SVHC", RoHS=Yes, Stock 1=314039, Supplier 1=Digi-Key, Termination=SMD/SMT, Thickness=0.087inch, Voltage Rating (DC)=100V, Weight=0.000564oz, Width=0.098inch